# KiCad board GateMateA1-EVB_Rev_B.kicad_pcb (continued)
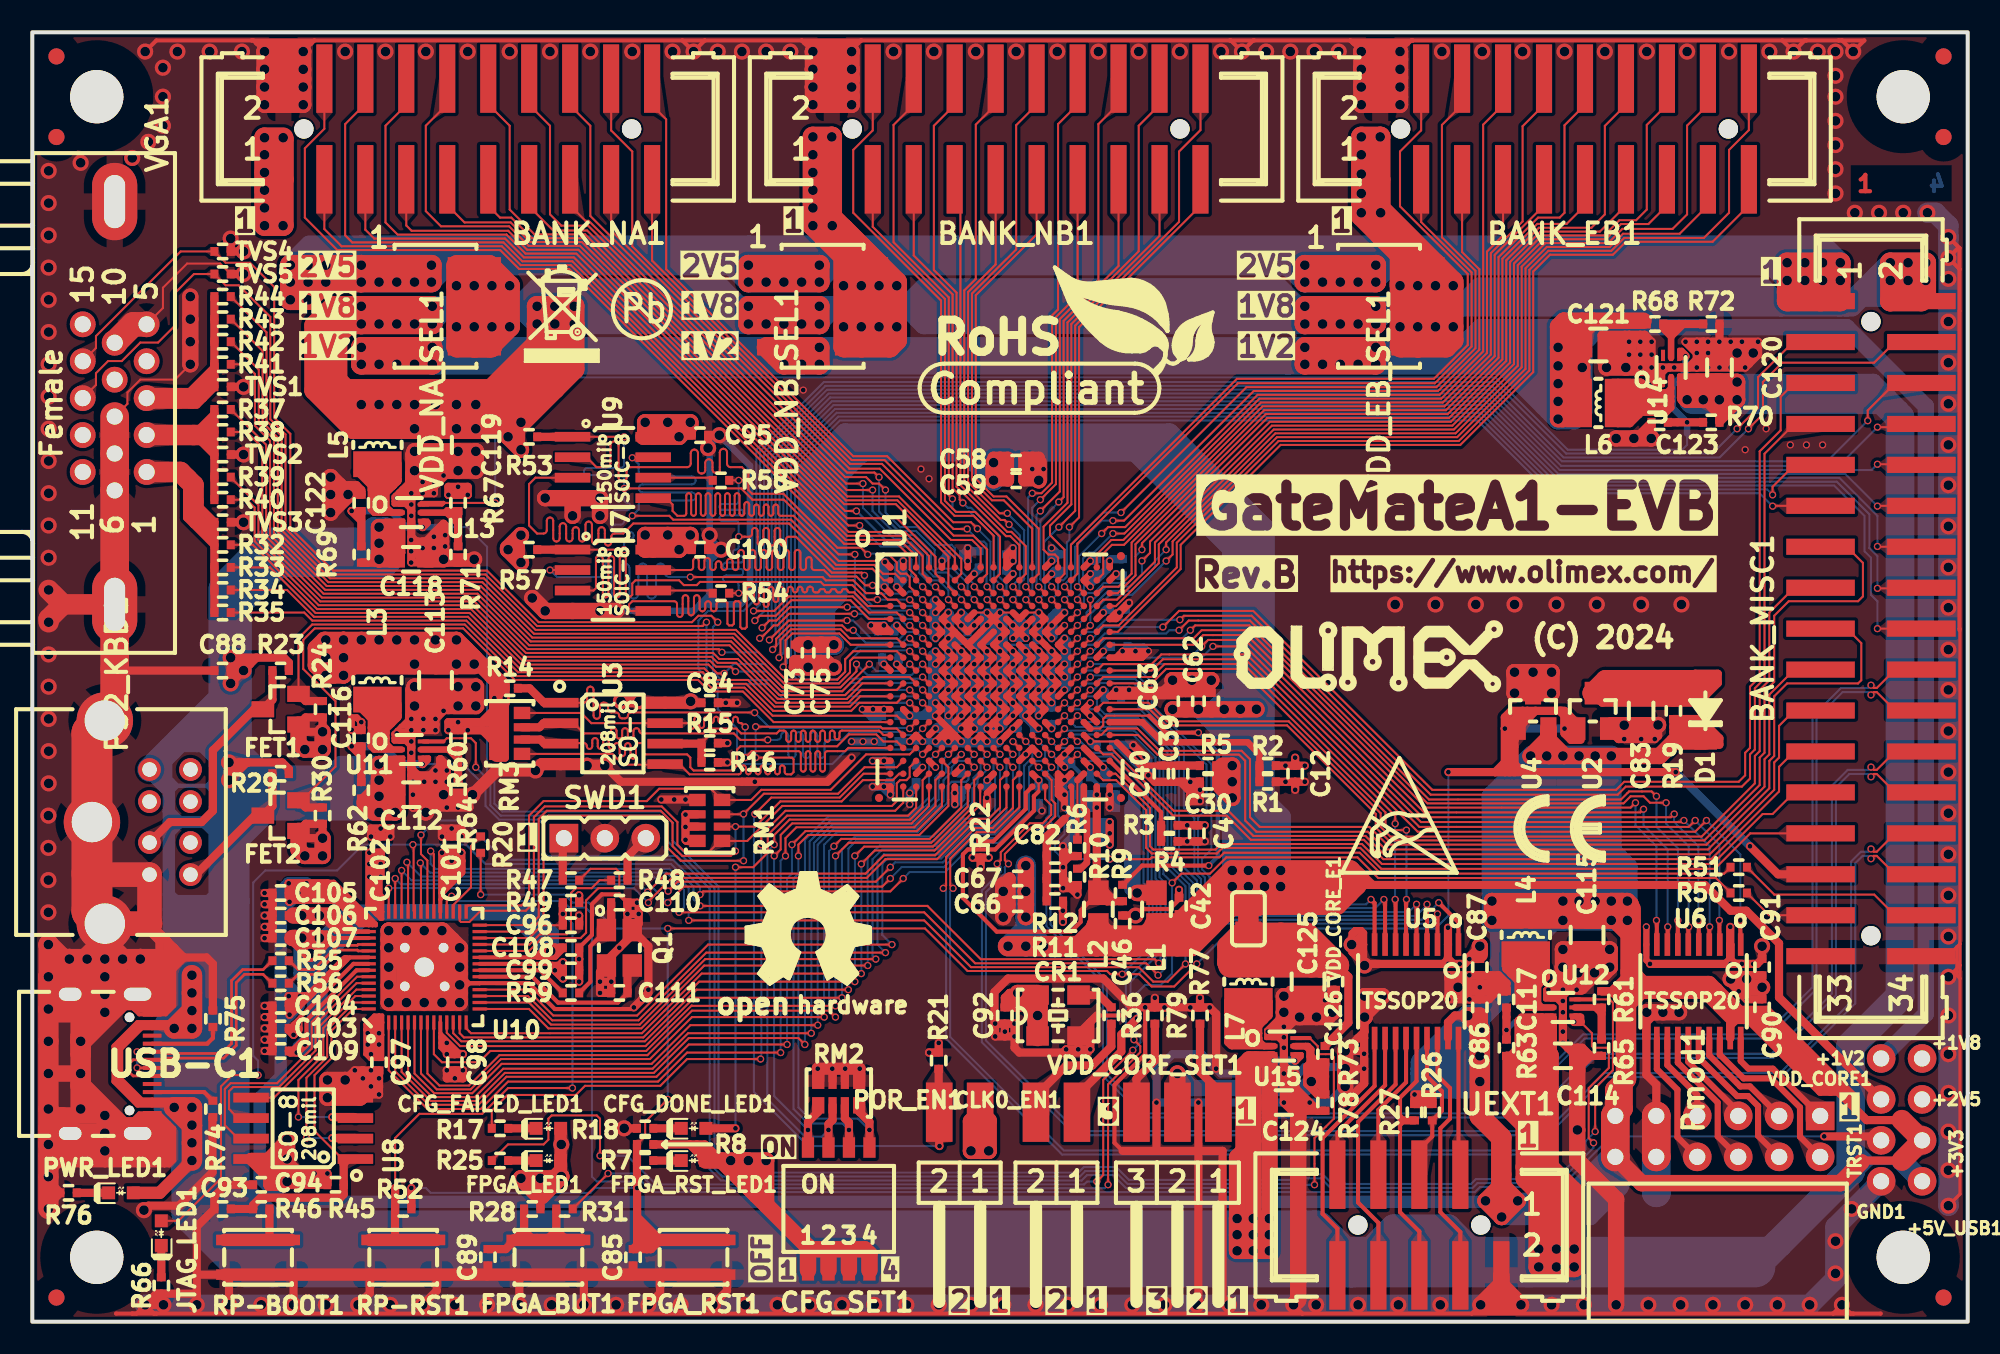
[diagram p0: board, top side]
## Routing (per net, layer and track width the routed paths; a pad name or vN(x,y) marks a point on that pad's centre or on a via; arc(x,y) is an arc through that point) (continued)
/NB_A1: length 29.3
  Top w0.127: BANK_NB1.5 54.65,66.15 57.06,63.74 57.06,51.71 57.5,51.27 57.5,51 v1(57.7,50.8) ; U1.D10 v1(60,44.8)
  Bottom w0.127: v1(60,44.8) 60.4,45.2 60.4,45.77 59.9,46.27 59.9,48.8 58.2,50.5 58,50.5 v1(57.7,50.8)
/NB_A2: length 27
  Top w0.127: BANK_NB1.7 57.54,70.52 57.54,51.9 60.44,49.01 60.71,49.01 61.6,48.11 61.6,46.4 U1.B11
/NB_A3: length 29.4
  Top w0.127: BANK_NB1.9 59.73,65.59 58.02,63.88 58.02,52.1 59.97,50.16 v1(60.46,50.16) ; U1.D11 v1(60.8,44.8)
  Bottom w0.127: v1(60.8,44.8) 61.2,45.2 61.2,45.77 61.5,46.07 61.5,49.11 v1(60.46,50.16)
/NB_A4: length 28.7
  Top w0.127: U1.B12 62.4,46.4 62.4,49.2 60.4,51.2 59.6,51.2 58.5,52.3 58.5,63.69 62.27,67.46 BANK_NB1.11
/NB_A5: length 28
  Top w0.127: v1(62.5,51) 62.5,51 63.47,51.96 63.47,62.33 64.81,63.67 BANK_NB1.13 ; U1.D12 v1(61.6,44.8)
  Bottom w0.127: v1(61.6,44.8) 62,45.2 62,50.5 v1(62.5,51)
/NB_A6: length 28.9
  Top w0.127: U1.D13 v1(62.4,44.8) ; v1(63.64,50.86) 63.94,51.16 63.94,62.1 67.35,65.5 BANK_NB1.15
  Bottom w0.127: v1(63.64,50.86) 62.5,49.71 62.5,46.07 62.8,45.77 62.8,45.2 v1(62.4,44.8)
/NB_A7: length 28.2
  Top w0.127: BANK_NB1.17 69.89,67.37 64.42,61.9 64.42,50.71 63.1,49.39 63.1,48.8 64,47.9 64,46.4 U1.B14
/NB_A8: length 30.6
  Top w0.127: v1(64.3,49.3) 64.9,49.9 64.9,61.7 72.43,69.23 BANK_NB1.19 ; U1.D14 v1(63.2,44.8)
  Bottom w0.127: v1(64.3,49.3) 64.3,48.5 64.15,48.35 64.15,46.23 63.92,46 63.78,46 63.6,45.83 63.6,45.2 v1(63.2,44.8)
/NB_B0: length 35.1
  Top w0.127: BANK_NB1.4 52.11,73.91 50.9,72.7 50.9,68.8 56.35,63.35 56.35,50.84 57.18,50 58.37,50 59.6,48.77 U1.A9
/NB_B1: length 35.8
  Top w0.127: v1(57.05,51.05) 56.82,51.28 56.82,63.55 53.4,66.98 53.4,74.25 54.65,75.5 BANK_NB1.6 ; U1.C10 v1(60,45.6)
  Bottom w0.127: v1(60,45.6) 60,45.75 59.64,46.11 59.64,48.73 58.1,50.26 57.24,50.26 57.05,50.45 v1(57.05,51.05)
/NB_B2: length 33.2
  Top w0.127: BANK_NB1.8 57.19,75.49 55.9,74.2 55.9,65.25 57.31,63.84 57.31,51.81 60.37,48.74 60.64,48.74 61.2,48.17 U1.A11
/NB_B3: length 34.6
  Top w0.127: BANK_NB1.10 59.73,75.5 58.5,74.27 58.5,64.7 57.78,63.98 57.78,52 60.04,49.74 60.28,49.74 v1(60.56,49.46) ; U1.C11 v1(60.8,45.6)
  Bottom w0.127: v1(60.8,45.6) 60.8,45.7 61.23,46.13 61.23,48.8 v1(60.56,49.46)
/NB_B4: length 34
  Top w0.127: U1.A12 62,49.2 60.24,50.96 59.5,50.96 58.26,52.2 58.26,63.79 61,66.52 61,74.23 62.27,75.5 BANK_NB1.12
/NB_B5: length 33.8
  Top w0.127: U1.C12 v1(61.6,45.6) ; v1(62,51.4) 62.57,51.4 63.23,52.06 63.23,62.43 63.6,62.8 63.6,74.3 64.81,75.51 BANK_NB1.14
  Bottom w0.127: v1(62,51.4) 61.75,51.15 61.75,45.75 v1(61.6,45.6)
/NB_B6: length 34.3
  Top w0.127: v1(62.5,50.3) 63.71,51.51 63.71,62.21 66.1,64.6 66.1,74.3 67.35,75.55 BANK_NB1.16 ; U1.C13 v1(62.4,45.6)
  Bottom w0.127: v1(62.5,50.3) 62.26,50.06 62.26,45.74 v1(62.4,45.6)
/NB_B7: length 33.9
  Top w0.127: BANK_NB1.18 69.89,75.49 68.6,74.2 68.6,66.41 64.18,62 64.18,50.81 62.7,49.32 62.7,47.9 63,47.6 63.4,47.6 63.6,47.4 U1.A14
/NB_B8: length 36.3
  Top w0.127: v1(63.65,49.3) 64.66,50.31 64.66,61.8 71.1,68.24 71.1,72.6 72.43,73.93 BANK_NB1.20 ; U1.C14 v1(63.2,45.6)
  Bottom w0.127: v1(63.65,49.3) 62.74,48.39 62.74,46.16 63.2,45.7 v1(63.2,45.6)
/PG_1V8: length 99.5
  Top w0.127: 25.5,50.8 v1(28.7,50.8)
  Top w0.254: U14.4 102.11,60.3 102.28,60.3 102.5,60.08 v1(102.5,59.9) ; 24.12,50.8 25.5,50.8 25.4,50.7 U13.6 24.03,50.7 24.12,50.8
  Top w0.508: R70.1 C123.1 ; 102.24,59.9 v1(102.5,59.9) 102.24,60.16
  Bottom w0.127: v1(28.7,50.8) 28.7,57.9 29.39,58.59 90.71,58.59 95.2,54.1 102.3,54.1 102.6,54.4 102.6,55.1
  Bottom w0.406: v1(102.5,59.9) 102.5,58.9 101.7,58.1 101.7,56.7 v1(102.6,55.8) 102.6,55.1
/PG_2V5: length 116.3
  Top w0.127: v1(27.5,34.4) 27.5,35.9 27.2,36.2 25.7,36.2 25.5,36 ; v1(96.8,11.1) 96.5,11.4 96.5,14.5 97.75,15.75 97.75,16.85 97.6,17 96.8,17 96.7,17.1 96.7,17.9 96,18.6
  Top w0.254: U12.4 95.95,19 96.03,18.92 ; U11.6 25.5,36
  Top w0.406: 96,18.6 96.03,18.62 96.03,18.92
  Top w0.508: R63.1 v1(91.4,18.1) C117.1 ; v1(95.6,18.6) 96,18.6 95.73,18.87 95.6,18.87 v1(95.6,18.6)
  Bottom w0.127: v1(27.5,34.4) 28.4,33.5 28.4,32.04 29.04,31.4 38.9,31.4 39.4,30.9 39.4,29.8 42.3,26.9 42.3,9.5 42.79,9.01 64.95,9.01 65.29,9.35 67.11,9.35 67.91,8.55 78.45,8.55 78.8,8.9 79.9,8.9 80.5,8.3 89.3,8.3 89.6,8.6 94.6,8.6 96.8,10.8 v1(96.8,11.1)
  Bottom w0.305: v1(95.6,18.6) 91.9,18.6 v1(91.4,18.1)
/PG_3V3: length 132
  Top w0.127: 96.7,20 97.8,20 98,19.8 98,15.6 96.9,14.5 v1(96.9,11.8)
  Top w0.254: U13.4 24.34,49.7 24.47,49.57 ; U12.6 96.7,20
  Top w0.508: 20.4,49.7 v1(19.8,50.3) 19.81,50.29 C122.1 R69.1 ; 24.47,49.57 v1(24.2,49.3) 24.2,49.57
  Bottom w0.127: v1(96.9,11.8) 96.3,11.2 96.3,10.7 94.45,8.85 89.5,8.85 89.2,8.55 80.6,8.55 80,9.15 78.7,9.15 78.35,8.8 68,8.8 67.2,9.6 65.2,9.6 64.85,9.25 42.9,9.25 42.55,9.6 42.55,27 39.7,29.85 39.7,30.95 39,31.65 29.15,31.65 28.65,32.15 28.65,33.65 28.2,34.1 28.2,48.08 26.97,49.3 25.25,49.3
  Bottom w0.406: v1(19.8,50.3) 22.2,50.3 23.2,49.3 v1(24.2,49.3) 25.25,49.3
/PG_VCore: length 100.2
  Top w0.127: 79.2,17.6 79.7,17.1 79.7,16.68 79.78,16.6 80.52,16.6 80.7,16.42 80.7,12.6 79.5,11.4 v1(79.5,8.5)
  Top w0.254: 24.6,35 24.6,34.86 ; 24.6,35 v1(24.2,34.6) ; 24.6,35 U11.4 ; U15.6 79.2,17.6
  Top w0.508: 20.4,35.1 v1(19.8,35.7) 19.81,35.69 C116.1 20.4,35.1 ; 20.4,35.1 R62.1 ; 24.47,34.87 v1(24.2,34.6) 24.2,34.87
  Bottom w0.127: v1(24.2,34.6) 26.7,34.6 28.1,33.2 28.1,32 28.95,31.15 31.4,31.15 31.7,30.85 31.7,29.13 31.93,28.9 39.96,28.9 42,26.86 42,9.46 42.7,8.76 65.06,8.76 65.4,9.1 67,9.1 67.8,8.3 78.55,8.3 78.75,8.5 v1(79.5,8.5)
  Bottom w0.508: v1(19.8,35.7) 21.7,35.7 22.8,34.6 v1(24.2,34.6)
/POR_EN: length 44.4
  Top w0.127: v1(44.8,31.5) 45.82,32.52 50.06,32.52 51.54,34 U1.U1
  Top w0.508: v1(56.25,10.9) 56.23,10.92 POR_EN1.2 56.2,13.03 R21.2
  Bottom w0.127: v1(44.8,31.5) 44.74,31.44 44.74,14.26 48.1,10.9 v1(56.25,10.9)
/PS2_CLK: length 52.6
  Top w0.127: FET2.2 16.71,32.35 18.8,34.45 18.8,38.5 16.8,40.5 16.8,42.3 17.52,43.02 26.72,43.02 29.92,39.82 41.28,39.82 42,39.1 44.06,39.1 45.96,37.2 U1.N1
  Top w0.508: R30.2 16.95,31.91 FET2.2
/PS2_DATA: length 45.5
  Top w0.127: U1.N2 53.6,37.6 45.9,37.6 44.16,39.34 42.1,39.34 41.38,40.06 30.02,40.06 26.82,43.26 17.36,43.26 16.51,42.41 FET1.2
  Top w0.508: FET1.2 16.95,38.51 R24.2
/PSRAM_CS#: length 49.3
  Top w0.127: U9.1 36.69,54.91 v1(36.7,54.9) ; v1(51,47.61) 49.99,47.61 46.6,51 44.65,51 43.95,51.7 v1(36.7,51.7) ; U1.E3 v1(54.4,44) ; U7.1 33.5,47.9 v1(36.7,47.9)
  Top w0.508: R53.2 33.5,54.9 U9.1 ; U7.1 33.5,47.9 R57.2
  Bottom w0.127: v1(36.7,47.9) 36.7,48.33 arc(36.77,48.48) 36.93,48.55 37.07,48.55 arc(37.23,48.62) 37.29,48.78 arc(37.23,48.93) 37.07,49 36.13,49 arc(35.97,49.07) 35.91,49.22 arc(35.97,49.38) 36.13,49.45 36.47,49.45 arc(36.63,49.52) 36.7,49.67 arc(36.63,49.83) 36.47,49.9 36.13,49.9 arc(35.97,49.97) 35.91,50.12 arc(35.97,50.28) 36.13,50.35 36.89,50.35 arc(37.03,50.41) 37.09,50.54 37.09,50.61 arc(37.03,50.75) 36.89,50.81 arc(36.76,50.86) 36.7,51 v1(36.7,51.7) 36.7,52.3 arc(36.63,52.46) 36.47,52.53 34.43,52.53 arc(34.27,52.59) 34.2,52.75 arc(34.27,52.91) 34.43,52.97 36.47,52.97 arc(36.63,53.04) 36.7,53.2 v1(36.7,54.9) ; v1(51,47.61) 51,45.14 52.02,44.12 54.28,44.12 v1(54.4,44)
/PSRAM_DATA0: length 40
  Top w0.127: U1.D1 51.81,44.4 50.96,45.25 50.65,45.25 arc(50.58,45.28) 50.55,45.35 arc(50.52,45.42) 50.45,45.45 50.3,45.45 arc(50.23,45.42) 50.2,45.35 arc(50.17,45.28) 50.1,45.25 49.95,45.25 arc(49.88,45.28) 49.85,45.35 arc(49.82,45.42) 49.75,45.45 49.6,45.45 arc(49.53,45.42) 49.5,45.35 arc(49.47,45.28) 49.4,45.25 49.25,45.25 arc(49.18,45.28) 49.15,45.35 arc(49.12,45.42) 49.05,45.45 48.9,45.45 arc(48.83,45.42) 48.8,45.35 arc(48.77,45.28) 48.7,45.25 48.55,45.25 arc(48.44,45.29) 48.4,45.4 48.4,45.45 arc(48.36,45.56) 48.25,45.6 48.2,45.6 arc(48.09,45.56) 48.05,45.45 48.05,45.4 arc(48.01,45.29) 47.9,45.25 arc(47.79,45.29) 47.75,45.4 47.75,45.45 arc(47.71,45.56) 47.6,45.6 arc(47.49,45.56) 47.45,45.45 47.45,45.4 arc(47.41,45.29) 47.3,45.25 arc(47.19,45.29) 47.15,45.4 47.15,45.45 arc(47.11,45.56) 47,45.6 arc(46.89,45.56) 46.85,45.45 46.85,45.35 arc(46.81,45.24) 46.7,45.2 arc(46.59,45.24) 46.55,45.35 46.55,45.45 arc(46.51,45.56) 46.4,45.6 arc(46.29,45.56) 46.25,45.45 46.25,44.8 arc(46.21,44.69) 46.1,44.65 arc(45.99,44.69) 45.95,44.8 45.95,45.45 arc(45.91,45.56) 45.8,45.6 arc(45.69,45.56) 45.65,45.45 45.65,44.5 arc(45.61,44.39) 45.5,44.35 arc(45.39,44.39) 45.35,44.5 45.35,45.45 arc(45.31,45.56) 45.2,45.6 arc(45.09,45.56) 45.05,45.45 45.05,44.65 arc(45.01,44.54) 44.9,44.5 arc(44.79,44.54) 44.75,44.65 44.75,45.45 arc(44.71,45.56) 44.6,45.6 44.4,45.6 44.3,45.5 44.3,43.1 44.2,43 44,43 43.9,43.1 43.9,44.6 43.8,44.7 43.6,44.7 43.5,44.6 43.5,43.3 43.4,43.2 43.2,43.2 43.1,43.3 43.1,44.6 43,44.7 42.6,44.7 arc(42.48,44.65) 42.43,44.53 42.43,44.25 arc(42.37,44.12) 42.25,44.07 arc(42.13,44.12) 42.07,44.25 42.07,44.53 arc(42.02,44.65) 41.9,44.7 arc(41.78,44.65) 41.72,44.53 41.72,44.25 arc(41.67,44.12) 41.55,44.07 arc(41.43,44.12) 41.38,44.25 41.38,44.9 arc(41.32,45.03) 41.2,45.08 arc(41.08,45.03) 41.03,44.9 41.03,44 arc(40.97,43.87) 40.85,43.82 arc(40.73,43.87) 40.68,44 40.68,44.9 arc(40.62,45.03) 40.5,45.08 arc(40.38,45.03) 40.32,44.9 40.32,43.9 arc(40.27,43.77) 40.15,43.72 arc(40.03,43.77) 39.97,43.9 39.97,44.53 arc(39.92,44.65) 39.8,44.7 37.2,44.7 37,44.5 37,44.2 37.1,44.09 U7.5
/PSRAM_DATA1: length 37
  Top w0.127: U1.D2 53.6,44.8 53.04,44.8 52.64,45.2 51.7,45.2 50.9,46 49.2,46 49,46.2 v1(40.8,46.2) ; U7.2 v1(32.1,46.64)
  Bottom w0.127: v1(32.1,46.64) 32.53,46.2 35.1,46.2 arc(35.29,46.28) 35.38,46.47 35.38,46.76 arc(35.46,46.96) 35.65,47.04 arc(35.84,46.96) 35.93,46.76 35.93,45.19 arc(36.01,44.99) 36.2,44.91 arc(36.39,44.99) 36.47,45.19 36.47,46.76 arc(36.56,46.96) 36.75,47.04 arc(36.94,46.96) 37.03,46.76 37.03,45.14 arc(37.11,44.94) 37.3,44.86 arc(37.49,44.94) 37.57,45.14 37.57,46.76 arc(37.66,46.96) 37.85,47.04 arc(38.04,46.96) 38.12,46.76 38.12,45.14 arc(38.21,44.94) 38.4,44.86 arc(38.59,44.94) 38.68,45.14 38.68,46.76 arc(38.76,46.96) 38.95,47.04 arc(39.14,46.96) 39.22,46.76 39.22,46.47 arc(39.31,46.28) 39.5,46.2 v1(40.8,46.2)
/PSRAM_DATA2: length 37
  Top w0.127: v1(52.4,44.8) 51.75,44.8 50.85,45.7 49.08,45.7 48.88,45.9 41.4,45.9 41.2,45.7 40.4,45.7 40.1,46 37.4,46 37.2,45.8 37.2,45.1 37.1,45 36.9,45 36.8,45.1 36.8,47.4 36.7,47.5 36.6,47.5 arc(36.48,47.45) 36.43,47.33 36.43,45.12 arc(36.37,44.99) 36.25,44.94 arc(36.13,44.99) 36.07,45.12 36.07,47.33 arc(36.02,47.45) 35.9,47.5 arc(35.78,47.45) 35.72,47.33 35.72,45.12 arc(35.67,44.99) 35.55,44.94 arc(35.43,44.99) 35.38,45.12 35.38,47.33 arc(35.32,47.45) 35.2,47.5 35.05,47.5 34.95,47.4 34.95,45.52 34.8,45.36 U7.3 ; U1.D3 v1(54.4,44.8)
  Bottom w0.127: v1(54.4,44.8) v1(52.4,44.8)
/PSRAM_DATA3: length 37
  Top w0.127: U1.D4 v1(55.2,44.8) ; v1(52.1,45.69) 51.65,45.69 51.1,46.24 49.48,46.24 49.08,46.64 48.5,46.64 arc(48.38,46.69) 48.32,46.81 48.32,47.26 arc(48.27,47.38) 48.15,47.44 arc(48.03,47.38) 47.97,47.26 47.97,46.81 arc(47.92,46.69) 47.8,46.64 arc(47.68,46.69) 47.62,46.81 47.62,47.71 arc(47.57,47.83) 47.45,47.89 arc(47.33,47.83) 47.28,47.71 47.28,46.81 arc(47.22,46.69) 47.1,46.64 arc(46.98,46.69) 46.93,46.81 46.93,47.71 arc(46.87,47.83) 46.75,47.89 arc(46.63,47.83) 46.57,47.71 46.57,46.81 arc(46.52,46.69) 46.4,46.64 arc(46.28,46.69) 46.22,46.81 46.22,47.71 arc(46.17,47.83) 46.05,47.89 arc(45.93,47.83) 45.88,47.71 45.88,46.81 arc(45.82,46.69) 45.7,46.64 arc(45.58,46.69) 45.53,46.81 45.53,47.71 arc(45.47,47.83) 45.35,47.89 arc(45.23,47.83) 45.18,47.71 45.18,46.81 arc(45.12,46.69) 45,46.64 arc(44.88,46.69) 44.82,46.81 44.82,47.71 arc(44.77,47.83) 44.65,47.89 arc(44.53,47.83) 44.47,47.71 44.47,46.81 arc(44.42,46.69) 44.3,46.64 arc(44.18,46.69) 44.12,46.81 44.12,47.71 arc(44.07,47.83) 43.95,47.89 arc(43.83,47.83) 43.78,47.71 43.78,46.81 arc(43.72,46.69) 43.6,46.64 arc(43.48,46.69) 43.43,46.81 43.43,47.16 arc(43.37,47.28) 43.25,47.34 arc(43.13,47.28) 43.07,47.16 43.07,46.81 arc(43.02,46.69) 42.9,46.64 arc(42.78,46.69) 42.72,46.81 42.72,47.01 arc(42.67,47.13) 42.55,47.19 arc(42.43,47.13) 42.38,47.01 42.38,46.81 arc(42.32,46.69) 42.2,46.64 arc(42.08,46.69) 42.03,46.81 42.03,47.21 arc(41.97,47.33) 41.85,47.39 arc(41.73,47.33) 41.68,47.21 41.68,46.81 arc(41.62,46.69) 41.5,46.64 arc(41.38,46.69) 41.32,46.81 41.32,47.21 arc(41.27,47.33) 41.15,47.39 arc(41.03,47.33) 40.97,47.21 40.97,46.81 arc(40.92,46.69) 40.8,46.64 U7.7
  Bottom w0.127: v1(55.2,44.8) 54.7,45.3 54.33,45.3 54.2,45.17 52.62,45.17 v1(52.1,45.69)
/PSRAM_DATA4: length 40.1
  Top w0.127: U1.C3 54.4,45.6 54.4,46.2 54.19,46.41 53.83,46.41 53.6,46.64 53.6,47.1 53.1,47.6 52.7,47.6 52.3,47.2 50,47.2 47.2,50 46.4,50 arc(46.29,50.04) 46.25,50.15 46.25,50.55 arc(46.21,50.66) 46.1,50.7 arc(45.99,50.66) 45.95,50.55 45.95,50.15 arc(45.91,50.04) 45.8,50 arc(45.69,50.04) 45.65,50.15 45.65,50.55 arc(45.61,50.66) 45.5,50.7 arc(45.39,50.66) 45.35,50.55 45.35,50.15 arc(45.31,50.04) 45.2,50 arc(45.09,50.04) 45.05,50.15 45.05,50.55 arc(45.01,50.66) 44.9,50.7 arc(44.79,50.66) 44.75,50.55 44.75,50.15 arc(44.71,50.04) 44.6,50 arc(44.49,50.04) 44.45,50.15 44.45,50.7 arc(44.41,50.81) 44.3,50.85 arc(44.19,50.81) 44.15,50.7 44.15,50.15 arc(44.11,50.04) 44,50 arc(43.89,50.04) 43.85,50.15 43.85,51.25 arc(43.81,51.36) 43.7,51.4 arc(43.59,51.36) 43.55,51.25 43.55,50.15 arc(43.51,50.04) 43.4,50 arc(43.29,50.04) 43.25,50.15 43.25,51.25 arc(43.21,51.36) 43.1,51.4 arc(42.99,51.36) 42.95,51.25 42.95,50.15 arc(42.91,50.04) 42.8,50 arc(42.69,50.04) 42.65,50.15 42.65,51.25 arc(42.61,51.36) 42.5,51.4 arc(42.39,51.36) 42.35,51.25 42.35,50.15 arc(42.31,50.04) 42.2,50 arc(42.09,50.04) 42.05,50.15 42.05,51.25 arc(42.01,51.36) 41.9,51.4 arc(41.79,51.36) 41.75,51.25 41.75,50.15 arc(41.71,50.04) 41.6,50 arc(41.49,50.04) 41.45,50.15 41.45,51.25 arc(41.41,51.36) 41.3,51.4 arc(41.19,51.36) 41.15,51.25 41.15,50.15 arc(41.11,50.04) 41,50 arc(40.89,50.04) 40.85,50.15 40.85,51.25 arc(40.81,51.36) 40.7,51.4 arc(40.59,51.36) 40.55,51.25 40.55,50.15 arc(40.51,50.04) 40.4,50 40,50 39.7,50.3 39.7,50.7 39.31,51.09 U9.5
/PSRAM_DATA5: length 37
  Top w0.127: U9.2 34.37,53.64 34.98,53.02 35.6,53.02 arc(35.78,53.09) 35.85,53.27 35.85,54.37 arc(35.92,54.54) 36.1,54.62 arc(36.28,54.54) 36.35,54.37 36.35,52.37 arc(36.42,52.19) 36.6,52.12 arc(36.78,52.19) 36.85,52.37 36.85,52.77 arc(36.92,52.94) 37.1,53.02 40.6,53.02 arc(40.76,53.08) 40.82,53.24 40.82,53.89 arc(40.89,54.05) 41.05,54.11 arc(41.21,54.05) 41.28,53.89 41.28,52.82 arc(41.33,52.68) 41.47,52.62 41.53,52.62 arc(41.67,52.68) 41.72,52.82 41.72,53.29 arc(41.79,53.45) 41.95,53.51 arc(42.11,53.45) 42.18,53.29 42.18,52.85 arc(42.23,52.72) 42.35,52.67 42.45,52.67 arc(42.57,52.72) 42.62,52.85 42.62,53.94 arc(42.69,54.1) 42.85,54.16 arc(43.01,54.1) 43.07,53.94 43.07,53.24 arc(43.14,53.08) 43.3,53.02 44,53.02 44.4,52.62 44.4,51.6 44.63,51.37 46.57,51.37 49.92,48.02 51.38,48.02 v1(51.8,47.6) ; U1.C4 v1(55.2,45.6)
  Bottom w0.127: v1(51.8,47.6) 51.85,47.65 54.16,47.65 54.5,47.31 54.5,46.3 v1(55.2,45.6)
/PSRAM_DATA6: length 40
  Top w0.127: U9.3 31.2,52.36 30.8,51.97 30.8,49.4 31.3,48.9 31.7,48.9 arc(31.84,48.96) 31.9,49.1 31.9,49.7 arc(31.96,49.84) 32.1,49.9 arc(32.24,49.84) 32.3,49.7 32.3,48.6 arc(32.36,48.46) 32.5,48.4 arc(32.64,48.46) 32.7,48.6 32.7,49.35 arc(32.76,49.49) 32.9,49.55 arc(33.04,49.49) 33.1,49.35 33.1,48.6 arc(33.16,48.46) 33.3,48.4 arc(33.44,48.46) 33.5,48.6 33.5,49.1 arc(33.56,49.24) 33.7,49.3 33.7,49.3 arc(33.84,49.24) 33.9,49.1 33.9,48.6 arc(33.96,48.46) 34.1,48.4 arc(34.24,48.46) 34.3,48.6 34.3,49.45 arc(34.36,49.59) 34.5,49.65 arc(34.64,49.59) 34.7,49.45 34.7,48.45 arc(34.76,48.31) 34.9,48.25 arc(35.04,48.31) 35.1,48.45 35.1,49.1 arc(35.16,49.24) 35.3,49.3 35.3,49.3 arc(35.44,49.24) 35.5,49.1 35.5,48.35 arc(35.56,48.21) 35.7,48.15 arc(35.84,48.21) 35.9,48.35 35.9,48.7 arc(35.96,48.84) 36.1,48.9 36.64,48.9 37.26,49.52 46.92,49.52 49.72,46.71 52.09,46.71 52.8,46 U1.B1
/PSRAM_DATA7: length 37
  Top w0.127: v1(37.2,50) 39.5,50 39.74,49.76 47.04,49.76 49.85,46.95 52.2,46.95 52.75,46.4 53.5,46.4 53.9,46 U1.B2 ; v1(37.2,53.6) 37.24,53.64 U9.7
  Bottom w0.127: v1(37.2,50) 37.6,50.4 37.6,50.7 arc(37.67,50.88) 37.85,50.95 40.88,50.95 arc(41.06,51.02) 41.13,51.2 arc(41.06,51.38) 40.88,51.45 37.85,51.45 arc(37.67,51.52) 37.6,51.7 arc(37.67,51.88) 37.85,51.95 40.88,51.95 arc(41.06,52.02) 41.13,52.2 arc(41.06,52.38) 40.88,52.45 37.85,52.45 arc(37.67,52.52) 37.6,52.7 37.6,53.2 v1(37.2,53.6)
/PSRAM_SCLK: length 38.1
  Top w0.127: R58.2 v1(43.8,52.2) ; U1.E4 v1(55.2,44) ; v1(51.6,46.3) 51.42,46.48 49.57,46.48 47.35,48.7 46.9,48.7 arc(46.78,48.65) 46.72,48.53 46.72,48.33 arc(46.67,48.2) 46.55,48.15 arc(46.43,48.2) 46.38,48.33 46.38,49.08 arc(46.32,49.2) 46.2,49.25 arc(46.08,49.2) 46.03,49.08 46.03,48.33 arc(45.97,48.2) 45.85,48.15 arc(45.73,48.2) 45.68,48.33 45.68,49.08 arc(45.62,49.2) 45.5,49.25 arc(45.38,49.2) 45.32,49.08 45.32,48.33 arc(45.27,48.2) 45.15,48.15 arc(45.03,48.2) 44.97,48.33 44.97,49.08 arc(44.92,49.2) 44.8,49.25 arc(44.68,49.2) 44.62,49.08 44.62,48.88 arc(44.57,48.75) 44.45,48.7 v1(43.8,48.7) ; R54.2 v1(43.8,45.2)
  Bottom w0.127: v1(55.2,44) 54.8,44.4 52.1,44.4 51.6,44.9 v1(51.6,46.3) ; v1(43.8,45.2) 43.8,45.7 arc(43.74,45.84) 43.6,45.9 43.03,45.9 arc(42.88,45.96) 42.83,46.1 arc(42.88,46.24) 43.03,46.3 43.93,46.3 arc(44.03,46.34) 44.07,46.43 44.07,46.57 arc(44.03,46.66) 43.93,46.7 43.03,46.7 arc(42.88,46.76) 42.83,46.9 arc(42.88,47.04) 43.03,47.1 43.93,47.1 arc(44.03,47.14) 44.07,47.23 44.07,47.37 arc(44.03,47.46) 43.93,47.5 43.62,47.5 arc(43.49,47.55) 43.44,47.68 43.44,47.72 arc(43.49,47.85) 43.62,47.9 arc(43.75,47.95) 43.8,48.08 v1(43.8,48.7) 43.8,49.5 arc(43.75,49.62) 43.62,49.67 42.78,49.67 arc(42.66,49.73) 42.6,49.85 arc(42.66,49.97) 42.78,50.03 43.95,50.03 arc(44.05,50.07) 44.09,50.17 44.09,50.23 arc(44.05,50.33) 43.95,50.38 42.78,50.38 arc(42.66,50.43) 42.6,50.55 arc(42.66,50.67) 42.78,50.72 43.62,50.72 arc(43.75,50.78) 43.8,50.9 v1(43.8,52.2)
/RP2040_RST#: length 40.7
  Top w0.127: v1(33.49,14.5) 29.5,14.5 27.9,12.9 24,12.9 22.5,11.4 22.5,8.3 ; C96.1 31.6,24.6 30.81,23.81 U10.26 ; R52.1 22.5,7.01
  Top w0.508: 22.5,7.01 22.5,8.3 ; C96.1 32.89,25.29 v1(32.9,25.3) 32.89,25.31 R49.2 ; 22.5,5.08 22.49,5.08 R52.1
  Top w0.762: RP-RST1.1 RP-RST1.1
  Bottom w0.127: v1(33.49,14.5) 33.49,24.71 v1(32.9,25.3)
/RP2040_SWCLK: length 15.3
  Top w0.127: U10.24 30.81,23.01 31.6,23.8 34,23.8 34.34,24.14 34.34,26.14 35.1,26.9 36.3,26.9 36.4,27 36.4,27.9 36.2,28.1 34.61,28.1 R47.1
/RP2040_SWDIO: length 11.2
  Top w0.127: R48.1 35.17,27.39 34.68,26.9 33.7,26.9 33.4,26.6 33.4,24.3 33.14,24.04 31.47,24.04 30.83,23.41 U10.25
/SB_A0: length 49.9
  Top w0.127: BANK_MISC1.27 106.52,30.3 104.32,28.1 83.64,28.1 82.34,29.4 73.8,29.4 73.45,29.05 69.41,29.05 69.06,29.4 69.06,31.74 67.2,33.6 66.4,33.6 U1.U17
/SB_A1: length 51.4
  Top w0.127: BANK_MISC1.23 109.25,35.38 108.3,34.43 108.3,32.9 104.1,28.7 83.76,28.7 82.56,29.9 75.55,29.9 74.05,31.4 70.73,31.4 66.93,35.2 66.4,35.2 U1.R17
/SB_A2: length 57.8
  Top w0.127: U1.P17 66.27,36.4 66.67,36.8 68.51,36.8 69.89,35.42 74.98,35.42 75.5,34.9 75.5,31.3 76.1,30.7 82.9,30.7 84,29.6 103.8,29.6 107.4,33.2 107.4,34.9 107.7,35.2 107.7,38.91 109.25,40.46 BANK_MISC1.19
/SB_A3: length 61.1
  Top w0.127: U1.M17 66.4,38.4 69.2,38.4 70.35,37.25 77.9,37.25 83.6,31.55 83.6,30.7 84.2,30.1 103.5,30.1 106.8,33.4 106.8,35.1 107.1,35.4 107.1,39.2 107.7,39.8 107.7,44 109.24,45.54 BANK_MISC1.15
/SB_B0: length 49.9
  Top w0.127: BANK_MISC1.25 109.24,32.84 107.9,31.5 107.28,31.5 104.18,28.4 83.68,28.4 82.44,29.64 73.7,29.64 73.36,29.29 69.51,29.29 69.3,29.5 69.3,31.87 67.17,34 U1.U18
/SB_B1: length 52.7
  Top w0.127: BANK_MISC1.21 109.25,37.92 108.3,36.97 108.3,35 108,34.7 108,33 104,29 83.8,29 82.66,30.14 75.71,30.14 74.15,31.7 70.78,31.7 66.88,35.6 U1.R18
/SB_B2: length 64.4
  Top w0.127: U1.P18 68.55,36.4 69.77,35.18 74.82,35.18 75.2,34.8 75.2,31.1 75.9,30.4 82.8,30.4 83.9,29.3 103.9,29.3 107.7,33.1 107.7,34.8 108,35.1 108,38.8 108.8,39.6 113.2,39.6 113.4,39.8 113.4,42.1 112.5,43 BANK_MISC1.17
/SB_B3: length 67.6
  Top w0.127: BANK_MISC1.13 112.5,48.08 113.5,47.08 113.5,45 113.2,44.7 108.9,44.7 108,43.8 108,39.7 107.4,39.1 107.4,35.3 107.1,35 107.1,33.3 103.66,29.86 84.1,29.86 83.3,30.66 83.3,31.5 77.8,37 70.26,37 69.26,38 U1.M18
/SER_CLK_N: length 94.8
  Top w0.127: BANK_MISC1.20 115.5,40.46 114.36,39.32 114.18,39.32 v1(114,39.49) ; U1.T13 v1(63.2,34.4)
  Bottom w0.127: 63.3,34.3 v1(63.2,34.4) 62.93,34.13 62.93,34.05 63.33,33.65 63.33,31.35 63.13,31.15 63.13,31.01 63.51,30.62 R13.1 63.51,30.58 63.13,30.19 63.13,24.65 66.63,21.15 66.63,15.35 69.05,12.93 91.25,12.93 96.15,17.83 107.45,17.83 110.37,20.75 110.37,37.55 112.14,39.32 113.82,39.32 v1(114,39.49)
/SER_CLK_P: length 95.1
  Top w0.127: BANK_MISC1.22 115.5,37.92 114.36,39.06 114.18,39.06 v1(114,38.89) ; U1.T12 v1(62.4,34.4)
  Bottom w0.127: v1(62.4,34.4) 62.67,34.13 62.67,33.95 63.07,33.55 63.07,31.45 62.87,31.25 62.87,31.01 62.49,30.62 R13.2 62.49,30.58 62.87,30.19 62.87,24.55 66.37,21.05 66.37,15.25 68.95,12.67 91.35,12.67 96.25,17.57 107.55,17.57 110.63,20.65 110.63,37.45 112.24,39.06 113.82,39.06 v1(114,38.89)
/SER_RX_N: length 94.6
  Top w0.127: v1(57.09,26.89) 56.91,27.06 56.91,28.73 58.55,30.37 59.65,30.37 61.2,31.92 U1.V11 ; v1(114,29.33) 114.18,29.16 114.36,29.16 115.5,30.3 BANK_MISC1.28
  Bottom w0.127: v1(57.09,26.89) 56.91,26.71 56.91,17.67 63.95,10.63 92.67,10.63 97.47,15.43 108.35,15.43 112.77,19.85 112.77,28.55 113.38,29.16 113.82,29.16 v1(114,29.33)